# KiCad board DCDC_converter.kicad_pcb (continued)
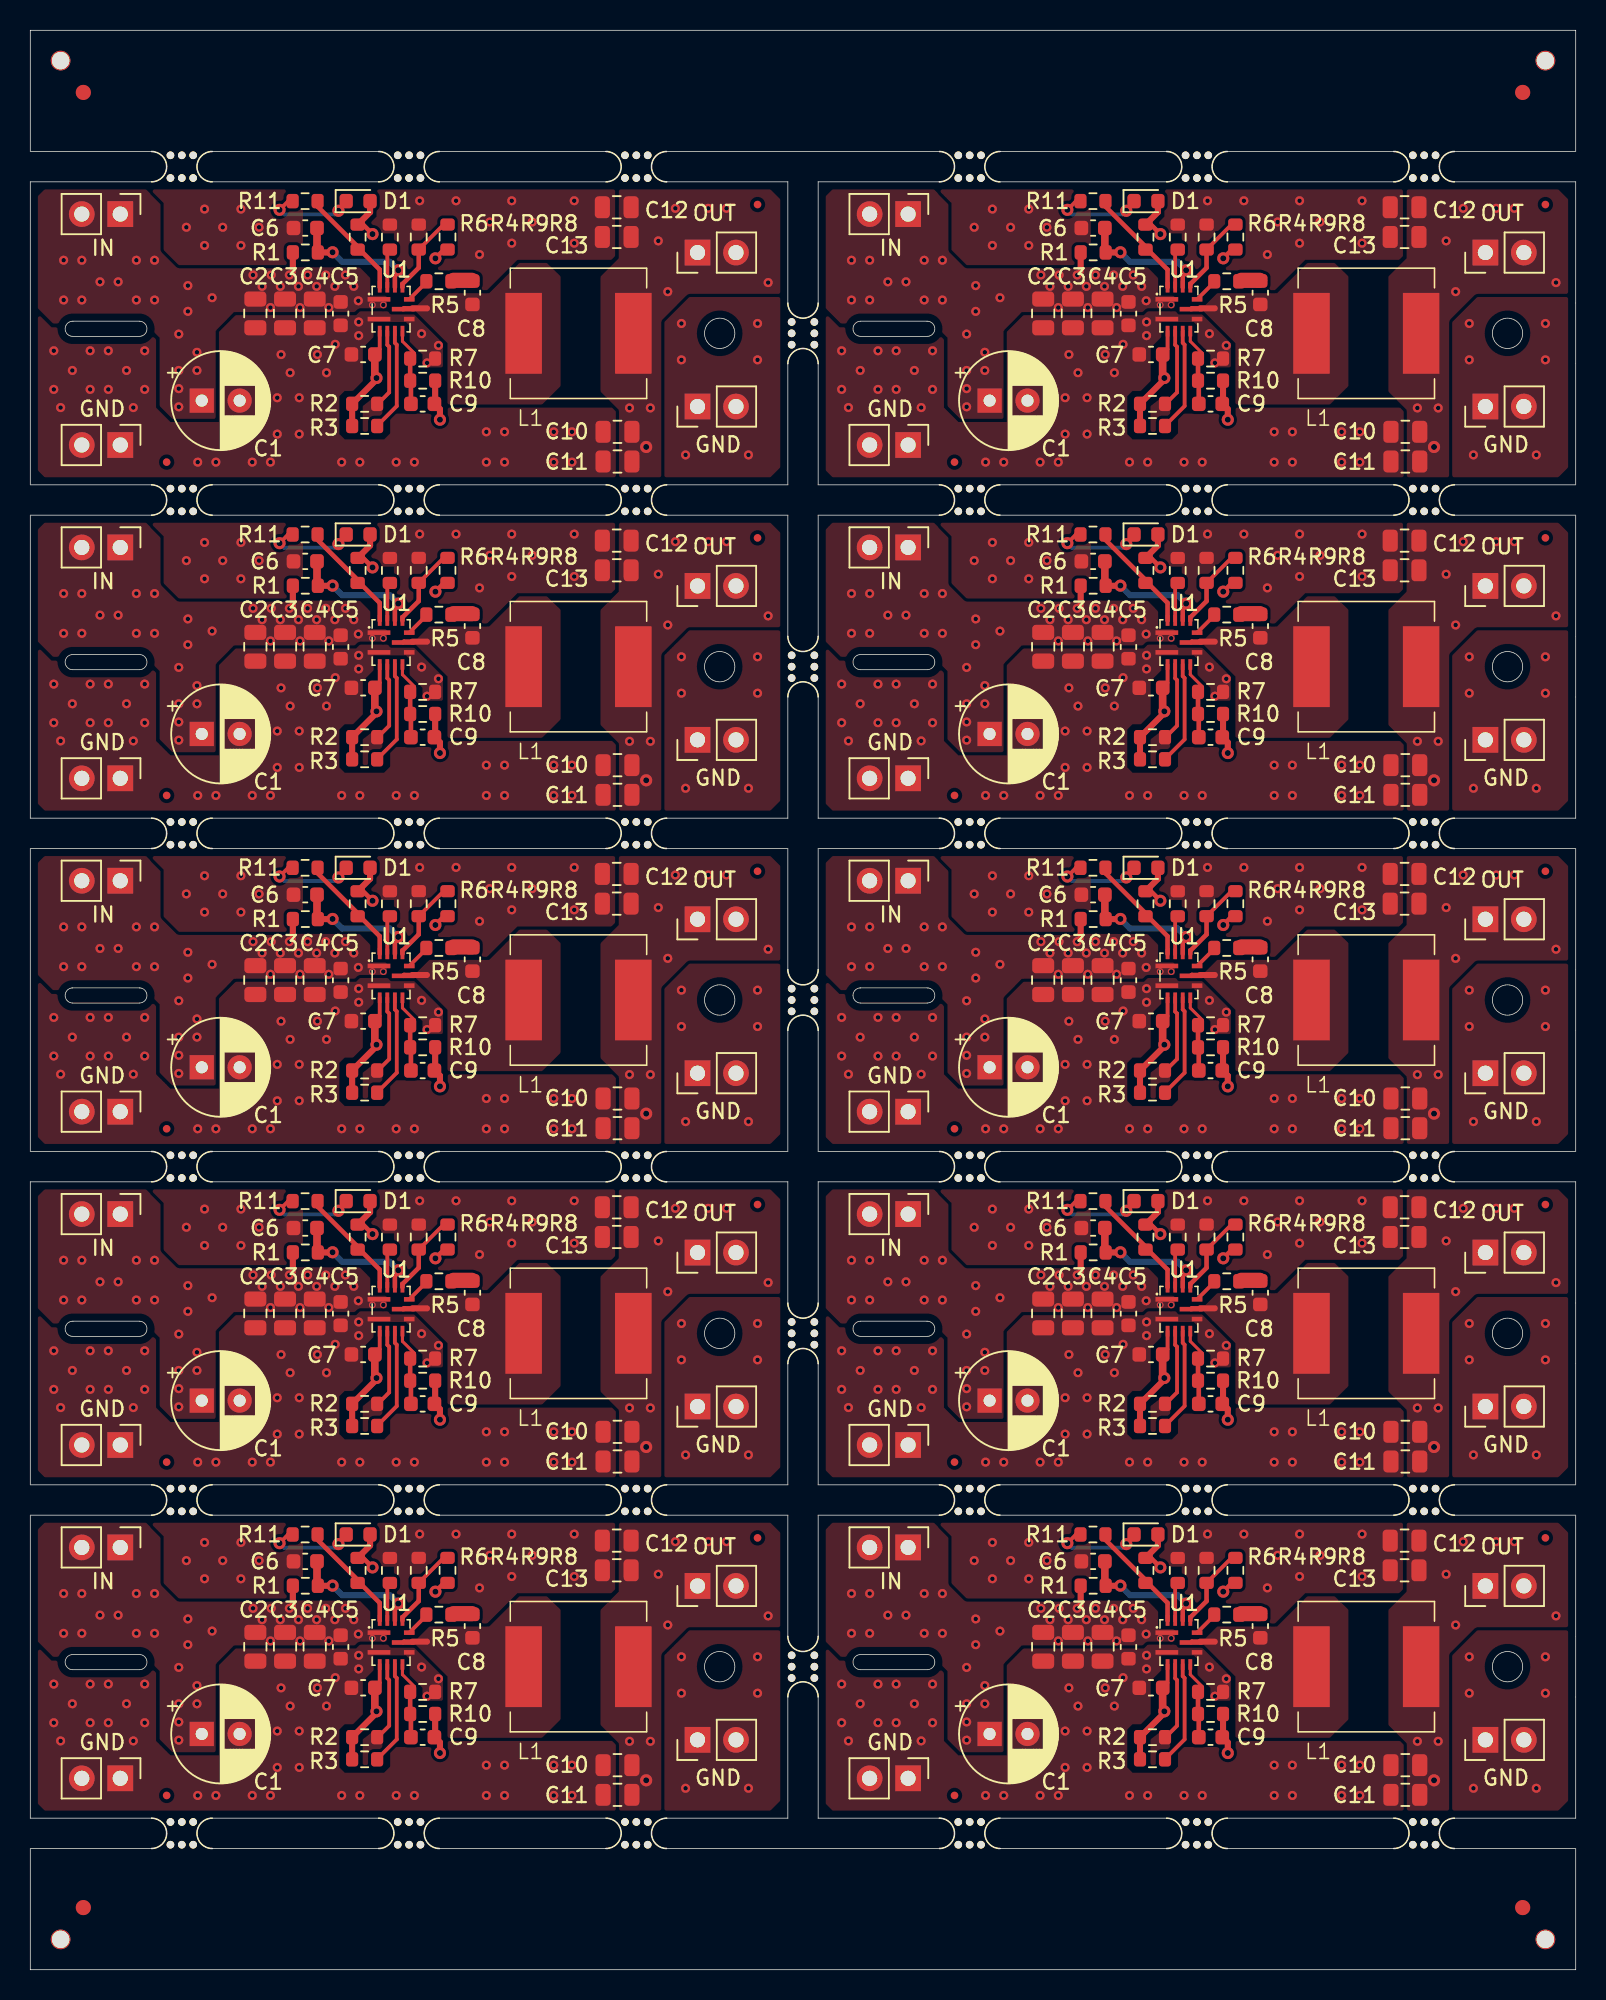
[diagram p0: board, top side]
## Placement (name value [footprint] x y rotation side) (continued)
REF**#2  -  [Fiducial_0.5mm_Mask1mm]  9 99.5 0 top
REF**#3  -  [Fiducial_0.5mm_Mask1mm]  9 11.5 0 top
REF**#4  -  [Fiducial_0.5mm_Mask1mm]  48 72.5 0 top
REF**#5  -  [Fiducial_0.5mm_Mask1mm]  100 50.5 0 top
REF**#6  -  [Fiducial_1mm_Mask2mm]  98.5 4.1 0 top
REF**#7  -  [Fiducial_1mm_Mask2mm]  3.5 123.9 0 top
REF**#8  -  [Fiducial_0.5mm_Mask1mm]  100 28.5 0 top
REF**#9  -  [Fiducial_0.5mm_Mask1mm]  9 77.5 0 top
REF**#10  -  [Fiducial_0.5mm_Mask1mm]  61 55.5 0 top
REF**#11  -  [Fiducial_0.5mm_Mask1mm]  61 77.5 0 top
REF**#12  -  [Fiducial_1mm_Mask2mm]  98.5 123.9 0 top
REF**#13  -  [Fiducial_0.5mm_Mask1mm]  61 33.5 0 top
REF**#14  -  [Fiducial_0.5mm_Mask1mm]  48 50.5 0 top
REF**#15  -  [Fiducial_1mm_Mask2mm]  3.5 4.1 0 top
REF**#16  -  [Fiducial_0.5mm_Mask1mm]  9 33.5 0 top
REF**#17  -  [Fiducial_0.5mm_Mask1mm]  61 99.5 0 top
REF**#18  -  [Fiducial_0.5mm_Mask1mm]  9 55.5 0 top
REF**#19  -  [Fiducial_0.5mm_Mask1mm]  100 72.5 0 top
REF**#20  -  [Fiducial_0.5mm_Mask1mm]  48 116.5 0 top
REF**#21  -  [Fiducial_0.5mm_Mask1mm]  100 116.5 0 top
REF**#22  -  [Fiducial_0.5mm_Mask1mm]  61 11.5 0 top
REF**#23  -  [Fiducial_0.5mm_Mask1mm]  100 94.5 0 top
REF**#24  -  [Fiducial_0.5mm_Mask1mm]  48 94.5 0 top
U1  MP2491C  [QFN-13_HK]  23.81 87.59 0 top
U1#2  MP2491C  [QFN-13_HK]  23.81 43.59 0 top
U1#3  MP2491C  [QFN-13_HK]  75.81 43.59 0 top
U1#4  MP2491C  [QFN-13_HK]  75.81 109.59 0 top
U1#5  MP2491C  [QFN-13_HK]  23.81 65.59 0 top
U1#6  MP2491C  [QFN-13_HK]  75.81 21.59 0 top
U1#7  MP2491C  [QFN-13_HK]  75.81 87.59 0 top
U1#8  MP2491C  [QFN-13_HK]  75.81 65.59 0 top
U1#9  MP2491C  [QFN-13_HK]  23.81 21.59 0 top
U1#10  MP2491C  [QFN-13_HK]  23.81 109.59 0 top

## Library data of the parts
C1 C1#2-C1#5 C1#7-C1#10 = -: Description: Polarized capacitor
C1#6 = -: Description: Polarized capacitor; ki_fp_filters: CP_*
C2 C2#2-C2#8 C2#10 C3 C3#2-C3#7 C3#9 C3#10 C4#2-C4#10 C5 C5#2-C5#6 C5#8-C5#10 C6 C6#3-C6#10 C7 C7#2-C7#8 C7#10 C8 C8#2-C8#6 C8#8-C8#10 C9 C9#2-C9#9 C10 C10#2-C10#8 C10#10 C11#2-C11#10 C12 C12#2-C12#8 C12#10 C13#2-C13#10 = -: Description: Unpolarized capacitor
C2#9 C3#8 C4 C5#7 C6#2 C7#9 C8#7 C9#10 C10#9 C11 C12#9 C13 = -: Description: Unpolarized capacitor; ki_fp_filters: C_*
D1 D1#2-D1#8 D1#10 = -: Description: Light emitting diode
D1#9 = -: Description: Light emitting diode; ki_fp_filters: LED* LED_SMD:* LED_THT:*
J1 J1#2-J1#7 J1#9 J1#10 J2 J2#2-J2#7 J2#9 J2#10 J3 J3#2 J3#4-J3#10 J4 J4#2 J4#3 J4#5-J4#10 = -: Description: Generic connector, single row, 01x02, script generated
J1#8 J2#8 J3#3 J4#4 = -: Description: Generic connector, single row, 01x02, script generated; ki_fp_filters: Connector*:*_1x??_*
L1 L1#2-L1#9 = -: Description: Inductor
L1#10 = -: Description: Inductor; ki_fp_filters: Choke_* *Coil* Inductor_* L_*
R1 R1#2 R1#4-R1#10 R2 R2#2 R2#4-R2#10 R3 R3#2-R3#5 R3#7-R3#10 R4 R4#2 R4#4-R4#10 R5 R5#2-R5#8 R5#10 R6 R6#2-R6#4 R6#6-R6#10 R7 R7#2-R7#5 R7#7-R7#10 R8 R8#2-R8#4 R8#6-R8#10 R9 R9#2-R9#8 R9#10 R10 R10#2-R10#4 R10#6-R10#10 R11 R11#3-R11#10 = -: Description: Resistor
R1#3 R2#3 R3#6 R4#3 R5#9 R6#5 R7#6 R8#5 R9#9 R10#5 R11#2 = -: Description: Resistor; ki_fp_filters: R_*
U1 U1#2-U1#10 = -: Datasheet: https://www.monolithicpower.com/en/documentview/productdocument/index/version/2/document_type/Datasheet/lang/en/sku/MP2491CGQB-Z/document_id/4656/; Description: Step-Down Converter

## Footprints (pads in the part's own frame, mm; a bottom-side part is the same pattern mirrored in y, then rotated)
C_0603_1608Metric
  rrect 0.9x0.95 smd: 1(-0.775,0) 2(0.775,0)
C_0805_2012Metric
  rrect 1x1.45 smd: 1(-0.95,0) 2(0.95,0)
CP_Radial_D6.3mm_P2.50mm
  rect 1.6x1.6 hole 0.8: 1(0,0)
  round 1.6 hole 0.8: 2(2.5,0)
Fiducial_0.5mm_Mask1mm
  round 0.5 smd: (0,0)
Fiducial_1mm_Mask2mm
  round 1 smd: (0,0)
Inductor_IHLP3232DZER4R7M11_HK
  rect 2.413x5.334 smd: 1(-3.619,0) 2(3.619,0)
LED_0603_1608Metric
  rrect 0.875x0.95 smd: 1(-0.787,0) 2(0.787,0)
mouse-bite-2mm-slot
  round 0.5 hole 0.5 unplated: (-0.75,0.75) (-0.75,-0.75) (0,0.75) (0,-0.75) (0.75,0.75) (0.75,-0.75)
PinHeader_1x02_P2.54mm_Vertical
  rect 1.7x1.7 hole 1: 1(0,0)
  oval 1.7x1.7 hole 1: 2(0,-2.54)
QFN-13_HK
  rect 1.5x0.3 smd: 1(-0.8,0.65) 2(-0.8,-0.65) 8(0.8,0)
  rect 0.25x0.7 smd: 3(-0.75,-1.45) 4(-0.25,-1.45) 5(0.25,-1.45) 6(0.75,-1.45) 10(0.75,1.45) 11(0.25,1.45) 12(-0.25,1.45) 13(-0.75,1.45)
  rect 0.7x0.3 smd: 7(1.2,-0.65) 9(1.2,0.65)
R_0603_1608Metric
  rrect 0.8x0.95 smd: 1(-0.825,0) 2(0.825,0)
unnamed
  round 1.3 hole 1.152 unplated: (0,0)

## Nets
+5V: C9.1 C9#2.1 C9#3.1 C9#4.1 C9#5.1 C9#6.1 C9#7.1 C9#8.1 C9#9.1 C9#10.1 C10.1 C10#2.1 C10#3.1 C10#4.1 C10#5.1 C10#6.1 C10#7.1 C10#8.1 C10#9.1 C10#10.1 C11.1 C11#2.1 C11#3.1 C11#4.1 C11#5.1 C11#6.1 C11#7.1 C11#8.1 C11#9.1 C11#10.1 C12.1 C12#2.1 C12#3.1 C12#4.1 C12#5.1 C12#6.1 C12#7.1 C12#8.1 C12#9.1 C12#10.1 C13.1 C13#2.1 C13#3.1 C13#4.1 C13#5.1 C13#6.1 C13#7.1 C13#8.1 C13#9.1 C13#10.1 J3.1 J3.2 J3#2.1 J3#2.2 J3#3.1 J3#3.2 J3#4.1 J3#4.2 J3#5.1 J3#5.2 J3#6.1 J3#6.2 J3#7.1 J3#7.2 J3#8.1 J3#8.2 J3#9.1 J3#9.2 J3#10.1 J3#10.2 L1.2 L1#2.2 L1#3.2 L1#4.2 L1#5.2 L1#6.2 L1#7.2 L1#8.2 L1#9.2 L1#10.2 R10.1 R10#2.1 R10#3.1 R10#4.1 R10#5.1 R10#6.1 R10#7.1 R10#8.1 R10#9.1 R10#10.1
+24V: C1.1 C1#2.1 C1#3.1 C1#4.1 C1#5.1 C1#6.1 C1#7.1 C1#8.1 C1#9.1 C1#10.1 C2.1 C2#2.1 C2#3.1 C2#4.1 C2#5.1 C2#6.1 C2#7.1 C2#8.1 C2#9.1 C2#10.1 C3.1 C3#2.1 C3#3.1 C3#4.1 C3#5.1 C3#6.1 C3#7.1 C3#8.1 C3#9.1 C3#10.1 C4.1 C4#2.1 C4#3.1 C4#4.1 C4#5.1 C4#6.1 C4#7.1 C4#8.1 C4#9.1 C4#10.1 C5.1 C5#2.1 C5#3.1 C5#4.1 C5#5.1 C5#6.1 C5#7.1 C5#8.1 C5#9.1 C5#10.1 J1.1 J1.2 J1#2.1 J1#2.2 J1#3.1 J1#3.2 J1#4.1 J1#4.2 J1#5.1 J1#5.2 J1#6.1 J1#6.2 J1#7.1 J1#7.2 J1#8.1 J1#8.2 J1#9.1 J1#9.2 J1#10.1 J1#10.2 R1.1 R1#2.1 R1#3.1 R1#4.1 R1#5.1 R1#6.1 R1#7.1 R1#8.1 R1#9.1 R1#10.1 U1.1 U1#2.1 U1#3.1 U1#4.1 U1#5.1 U1#6.1 U1#7.1 U1#8.1 U1#9.1 U1#10.1
GND: C1.2 C1#2.2 C1#3.2 C1#4.2 C1#5.2 C1#6.2 C1#7.2 C1#8.2 C1#9.2 C1#10.2 C2.2 C2#2.2 C2#3.2 C2#4.2 C2#5.2 C2#6.2 C2#7.2 C2#8.2 C2#9.2 C2#10.2 C3.2 C3#2.2 C3#3.2 C3#4.2 C3#5.2 C3#6.2 C3#7.2 C3#8.2 C3#9.2 C3#10.2 C4.2 C4#2.2 C4#3.2 C4#4.2 C4#5.2 C4#6.2 C4#7.2 C4#8.2 C4#9.2 C4#10.2 C5.2 C5#2.2 C5#3.2 C5#4.2 C5#5.2 C5#6.2 C5#7.2 C5#8.2 C5#9.2 C5#10.2 C6.2 C6#2.2 C6#3.2 C6#4.2 C6#5.2 C6#6.2 C6#7.2 C6#8.2 C6#9.2 C6#10.2 C7.2 C7#2.2 C7#3.2 C7#4.2 C7#5.2 C7#6.2 C7#7.2 C7#8.2 C7#9.2 C7#10.2 C10.2 C10#2.2 C10#3.2 C10#4.2 C10#5.2 C10#6.2 C10#7.2 C10#8.2 C10#9.2 C10#10.2 C11.2 C11#2.2 C11#3.2 C11#4.2 C11#5.2 C11#6.2 C11#7.2 C11#8.2 C11#9.2 C11#10.2 C12.2 C12#2.2 C12#3.2 C12#4.2 C12#5.2 C12#6.2 C12#7.2 C12#8.2 C12#9.2 C12#10.2 C13.2 C13#2.2 C13#3.2 C13#4.2 C13#5.2 C13#6.2 C13#7.2 C13#8.2 C13#9.2 C13#10.2 J2.1 J2.2 J2#2.1 J2#2.2 J2#3.1 J2#3.2 J2#4.1 J2#4.2 J2#5.1 J2#5.2 J2#6.1 J2#6.2 J2#7.1 J2#7.2 J2#8.1 J2#8.2 J2#9.1 J2#9.2 J2#10.1 J2#10.2 J4.1 J4.2 J4#2.1 J4#2.2 J4#3.1 J4#3.2 J4#4.1 J4#4.2 J4#5.1 J4#5.2 J4#6.1 J4#6.2 J4#7.1 J4#7.2 J4#8.1 J4#8.2 J4#9.1 J4#9.2 J4#10.1 J4#10.2 R4.2 R4#2.2 R4#3.2 R4#4.2 R4#5.2 R4#6.2 R4#7.2 R4#8.2 R4#9.2 R4#10.2 R7.2 R7#2.2 R7#3.2 R7#4.2 R7#5.2 R7#6.2 R7#7.2 R7#8.2 R7#9.2 R7#10.2 R9.2 R9#2.2 R9#3.2 R9#4.2 R9#5.2 R9#6.2 R9#7.2 R9#8.2 R9#9.2 R9#10.2 U1.2 U1.7 U1#2.2 U1#2.7 U1#3.2 U1#3.7 U1#4.2 U1#4.7 U1#5.2 U1#5.7 U1#6.2 U1#6.7 U1#7.2 U1#7.7 U1#8.2 U1#8.7 U1#9.2 U1#9.7 U1#10.2 U1#10.7
VCC: C7.1 C7#2.1 C7#3.1 C7#4.1 C7#5.1 C7#6.1 C7#7.1 C7#8.1 C7#9.1 C7#10.1 D1.2 D1#2.2 D1#3.2 D1#4.2 D1#5.2 D1#6.2 D1#7.2 D1#8.2 D1#9.2 D1#10.2 R2.1 R2#2.1 R2#3.1 R2#4.1 R2#5.1 R2#6.1 R2#7.1 R2#8.1 R2#9.1 R2#10.1 R3.1 R3#2.1 R3#3.1 R3#4.1 R3#5.1 R3#6.1 R3#7.1 R3#8.1 R3#9.1 R3#10.1 R6.2 R6#2.2 R6#3.2 R6#4.2 R6#5.2 R6#6.2 R6#7.2 R6#8.2 R6#9.2 R6#10.2 R8.2 R8#2.2 R8#3.2 R8#4.2 R8#5.2 R8#6.2 R8#7.2 R8#8.2 R8#9.2 R8#10.2 U1.3 U1#2.3 U1#3.3 U1#4.3 U1#5.3 U1#6.3 U1#7.3 U1#8.3 U1#9.3 U1#10.3
Net-(C8-Pad2): C8.2 C8#2.2 C8#3.2 C8#4.2 C8#5.2 C8#6.2 C8#7.2 C8#8.2 C8#9.2 C8#10.2 R5.2 R5#2.2 R5#3.2 R5#4.2 R5#5.2 R5#6.2 R5#7.2 R5#8.2 R5#9.2 R5#10.2
Net-(D1-K): D1.1 D1#2.1 D1#3.1 D1#4.1 D1#5.1 D1#6.1 D1#7.1 D1#8.1 D1#9.1 D1#10.1 R11.1 R11#2.1 R11#3.1 R11#4.1 R11#5.1 R11#6.1 R11#7.1 R11#8.1 R11#9.1 R11#10.1
Net-(U1-BST): R5.1 R5#2.1 R5#3.1 R5#4.1 R5#5.1 R5#6.1 R5#7.1 R5#8.1 R5#9.1 R5#10.1 U1.9 U1#2.9 U1#3.9 U1#4.9 U1#5.9 U1#6.9 U1#7.9 U1#8.9 U1#9.9 U1#10.9
Net-(U1-EN): C6.1 C6#2.1 C6#3.1 C6#4.1 C6#5.1 C6#6.1 C6#7.1 C6#8.1 C6#9.1 C6#10.1 R1.2 R1#2.2 R1#3.2 R1#4.2 R1#5.2 R1#6.2 R1#7.2 R1#8.2 R1#9.2 R1#10.2 U1.11 U1#2.11 U1#3.11 U1#4.11 U1#5.11 U1#6.11 U1#7.11 U1#8.11 U1#9.11 U1#10.11
Net-(U1-FB): C9.2 C9#2.2 C9#3.2 C9#4.2 C9#5.2 C9#6.2 C9#7.2 C9#8.2 C9#9.2 C9#10.2 R7.1 R7#2.1 R7#3.1 R7#4.1 R7#5.1 R7#6.1 R7#7.1 R7#8.1 R7#9.1 R7#10.1 R10.2 R10#2.2 R10#3.2 R10#4.2 R10#5.2 R10#6.2 R10#7.2 R10#8.2 R10#9.2 R10#10.2 U1.6 U1#2.6 U1#3.6 U1#4.6 U1#5.6 U1#6.6 U1#7.6 U1#8.6 U1#9.6 U1#10.6
Net-(U1-ILIM): R4.1 R4#2.1 R4#3.1 R4#4.1 R4#5.1 R4#6.1 R4#7.1 R4#8.1 R4#9.1 R4#10.1 U1.12 U1#2.12 U1#3.12 U1#4.12 U1#5.12 U1#6.12 U1#7.12 U1#8.12 U1#9.12 U1#10.12
Net-(U1-MODE): R8.1 R8#2.1 R8#3.1 R8#4.1 R8#5.1 R8#6.1 R8#7.1 R8#8.1 R8#9.1 R8#10.1 R9.1 R9#2.1 R9#3.1 R9#4.1 R9#5.1 R9#6.1 R9#7.1 R9#8.1 R9#9.1 R9#10.1 U1.10 U1#2.10 U1#3.10 U1#4.10 U1#5.10 U1#6.10 U1#7.10 U1#8.10 U1#9.10 U1#10.10
Net-(U1-PG): R6.1 R6#2.1 R6#3.1 R6#4.1 R6#5.1 R6#6.1 R6#7.1 R6#8.1 R6#9.1 R6#10.1 R11.2 R11#2.2 R11#3.2 R11#4.2 R11#5.2 R11#6.2 R11#7.2 R11#8.2 R11#9.2 R11#10.2 U1.13 U1#2.13 U1#3.13 U1#4.13 U1#5.13 U1#6.13 U1#7.13 U1#8.13 U1#9.13 U1#10.13
Net-(U1-SW): C8.1 C8#2.1 C8#3.1 C8#4.1 C8#5.1 C8#6.1 C8#7.1 C8#8.1 C8#9.1 C8#10.1 L1.1 L1#2.1 L1#3.1 L1#4.1 L1#5.1 L1#6.1 L1#7.1 L1#8.1 L1#9.1 L1#10.1 U1.8 U1#2.8 U1#3.8 U1#4.8 U1#5.8 U1#6.8 U1#7.8 U1#8.8 U1#9.8 U1#10.8
Net-(U1-VSEL1): R2.2 R2#2.2 R2#3.2 R2#4.2 R2#5.2 R2#6.2 R2#7.2 R2#8.2 R2#9.2 R2#10.2 U1.4 U1#2.4 U1#3.4 U1#4.4 U1#5.4 U1#6.4 U1#7.4 U1#8.4 U1#9.4 U1#10.4
Net-(U1-VSEL2): R3.2 R3#2.2 R3#3.2 R3#4.2 R3#5.2 R3#6.2 R3#7.2 R3#8.2 R3#9.2 R3#10.2 U1.5 U1#2.5 U1#3.5 U1#4.5 U1#5.5 U1#6.5 U1#7.5 U1#8.5 U1#9.5 U1#10.5

## Via types
v1: diameter 0.6, hole 0.3, Top to Bottom, 1070 vias
v2: diameter 0.45, hole 0.3, Top to Bottom, 20 vias
v3: diameter 0.8, hole 0.4, Top to Bottom, 90 vias

## Routing (per net, layer and track width the routed paths; a pad name or vN(x,y) marks a point on that pad's centre or on a via; arc(x,y) is an arc through that point)
+5V: length 170.9
  Top w0.4: v3(79.04,58.3) 79.04,59 78.69,59.35 78.72,59.39 R10#6.1 ; R10#4.1 78.72,81.39 78.69,81.35 79.04,81 v3(79.04,80.3) ; R10#7.1 78.72,103.39 78.69,103.35 79.04,103 v3(79.04,102.3) ; R10#8.1 78.72,15.38 78.69,15.35 79.04,15 v3(79.04,14.3) ; R10#9.1 26.72,37.38 26.69,37.35 27.04,37 v3(27.04,36.3) ; v3(27.04,102.3) 27.04,103 26.69,103.35 26.72,103.39 R10#5.1 ; R10#3.1 78.72,37.38 78.69,37.35 79.04,37 v3(79.04,36.3) ; R10.1 26.72,59.39 26.69,59.35 27.04,59 v3(27.04,58.3) ; v3(27.04,80.3) 27.04,81 26.69,81.35 26.72,81.39 R10#2.1 ; v3(27.04,14.3) 27.04,15 26.69,15.35 26.72,15.38 R10#10.1
  In2.Cu w0.4: v3(27.04,58.3) 38.85,58.3 v3(40.65,56.5) ; v3(40.65,12.5) 38.85,14.3 v3(27.04,14.3) ; v3(92.65,78.5) 90.85,80.3 v3(79.04,80.3) ; v3(79.04,102.3) 90.85,102.3 v3(92.65,100.5) ; v3(92.65,56.5) 90.85,58.3 v3(79.04,58.3) ; v3(27.04,80.3) 38.85,80.3 v3(40.65,78.5) ; v3(40.65,34.5) 38.85,36.3 v3(27.04,36.3) ; v3(92.65,34.5) 90.85,36.3 v3(79.04,36.3) ; v3(40.65,100.5) 38.85,102.3 v3(27.04,102.3) ; v3(79.04,14.3) 90.85,14.3 v3(92.65,12.5)
  vias: v1(39.55,103.08) v1(39.55,81.08) v1(39.55,59.08) v1(39.55,37.07) v1(39.55,15.07) v1(40.92,103.08) v1(40.92,81.08) v1(40.92,59.08) v1(40.92,37.07) v1(40.92,15.07) v1(41.45,114.1) v1(41.45,92.1) v1(41.45,70.1) v1(41.45,48.1) v1(41.45,26.1) v1(42.08,110.75) v1(42.08,88.75) v1(42.08,66.75) v1(42.08,44.75) v1(42.08,22.75) v1(42.58,116.25) v1(42.58,94.25) v1(42.58,72.25) v1(42.58,50.25) v1(42.58,28.25) v1(44.75,116.25) v1(44.75,94.25) v1(44.75,72.25) v1(44.75,50.25) v1(44.75,28.25) v1(45.95,116.25) v1(45.95,94.25) v1(45.95,72.25) v1(45.95,50.25) v1(45.95,28.25) v1(48.7,111.35) v1(48.7,89.35) v1(48.7,67.35) v1(48.7,45.35) v1(48.7,23.35) v1(91.55,103.08) v1(91.55,81.08) v1(91.55,59.08) v1(91.55,37.07) v1(91.55,15.07) v1(92.93,103.08) v1(92.93,81.08) v1(92.93,59.08) v1(92.93,37.07) v1(92.93,15.07) v1(93.45,114.1) v1(93.45,92.1) v1(93.45,70.1) v1(93.45,48.1) v1(93.45,26.1) v1(94.07,110.75) v1(94.07,88.75) v1(94.07,66.75) v1(94.07,44.75) v1(94.07,22.75) v1(94.57,116.25) v1(94.57,94.25) v1(94.57,72.25) v1(94.57,50.25) v1(94.57,28.25) v1(96.75,116.25) v1(96.75,94.25) v1(96.75,72.25) v1(96.75,50.25) v1(96.75,28.25) v1(97.95,116.25) v1(97.95,94.25) v1(97.95,72.25) v1(97.95,50.25) v1(97.95,28.25) v1(100.7,111.35) v1(100.7,89.35) v1(100.7,67.35) v1(100.7,45.35) v1(100.7,23.35)
+24V: length 13
  Top w0.4: R1.1 17.33,24.04 ; R1#2.1 69.33,46.04 ; R1#3.1 17.33,112.04 ; R1#9.1 17.33,46.04 ; R1#5.1 69.33,112.04 ; R1#6.1 69.33,90.04 ; R1#8.1 69.33,68.04 ; R1#10.1 69.33,24.04 ; R1#7.1 17.33,68.04 ; R1#4.1 17.33,90.04
  vias: v1(2.2,112.83) v1(2.2,110.2) v1(2.2,90.83) v1(2.2,88.2) v1(2.2,68.83) v1(2.2,66.2) v1(2.2,46.83) v1(2.2,44.2) v1(2.2,24.82) v1(2.2,22.2) v1(3.4,112.83) v1(3.4,110.2) v1(3.4,90.83) v1(3.4,88.2) v1(3.4,68.83) v1(3.4,66.2) v1(3.4,46.83) v1(3.4,44.2) v1(3.4,24.82) v1(3.4,22.2) v1(4.6,111.4) v1(4.6,89.4) v1(4.6,67.4) v1(4.6,45.4) v1(4.6,23.4) v1(5.8,111.4) v1(5.8,89.4) v1(5.8,67.4) v1(5.8,45.4) v1(5.8,23.4) v1(7,112.83) v1(7,110.2) v1(7,90.83) v1(7,88.2) v1(7,68.83) v1(7,66.2) v1(7,46.83) v1(7,44.2) v1(7,24.82) v1(7,22.2) v1(8.2,112.83) v1(8.2,110.2) v1(8.2,90.83) v1(8.2,88.2) v1(8.2,68.83) v1(8.2,66.2) v1(8.2,46.83) v1(8.2,44.2) v1(8.2,24.82) v1(8.2,22.2) v1(9.8,107.95) v1(9.8,105.55) v1(9.8,104.35) v1(9.8,103.15) v1(9.8,85.95) v1(9.8,83.55) v1(9.8,82.35) v1(9.8,81.15) v1(9.8,63.95) v1(9.8,61.55) v1(9.8,60.35) v1(9.8,59.15) v1(9.8,41.95) v1(9.8,39.55) v1(9.8,38.35) v1(9.8,37.15) v1(9.8,19.95) v1(9.8,17.55) v1(9.8,16.35) v1(9.8,15.15) v1(10.4,111.15) v1(10.4,109.45) v1(10.4,89.15) v1(10.4,87.45) v1(10.4,67.15) v1(10.4,65.45) v1(10.4,45.15) v1(10.4,43.45) v1(10.4,23.15) v1(10.4,21.45) v1(11,106.75) v1(11,105.55) v1(11,84.75) v1(11,83.55) v1(11,62.75) v1(11,61.55) v1(11,40.75) v1(11,39.55) v1(11,18.75) v1(11,17.55) v1(12,110.35) v1(12,88.35) v1(12,66.35) v1(12,44.35) v1(12,22.35) v1(14.7,111.85) v1(14.7,89.85) v1(14.7,67.85) v1(14.7,45.85) v1(14.7,23.85) v1(15.3,111.1) v1(15.3,89.1) v1(15.3,67.1) v1(15.3,45.1) v1(15.3,23.1) v1(15.85,109.7) v1(15.85,87.7) v1(15.85,65.7) v1(15.85,43.7) v1(15.85,21.7) v1(15.9,111.85) v1(15.9,89.85) v1(15.9,67.85) v1(15.9,45.85) v1(15.9,23.85) v1(16.5,111.1) v1(16.5,89.1) v1(16.5,67.1) v1(16.5,45.1) v1(16.5,23.1) v1(17.1,111.85) v1(17.1,89.85) v1(17.1,67.85) v1(17.1,45.85) v1(17.1,23.85) v1(17.7,111.1) v1(17.7,89.1) v1(17.7,67.1) v1(17.7,45.1) v1(17.7,23.1) v1(17.8,109.7) v1(17.8,87.7) v1(17.8,65.7) v1(17.8,43.7) v1(17.8,21.7) v1(18.3,111.85) v1(18.3,89.85) v1(18.3,67.85) v1(18.3,45.85) v1(18.3,23.85) v1(18.9,111.1) v1(18.9,89.1) v1(18.9,67.1) v1(18.9,45.1) v1(18.9,23.1) v1(19.5,111.85) v1(19.5,89.85) v1(19.5,67.85) v1(19.5,45.85) v1(19.5,23.85) v1(19.7,109.7) v1(19.7,87.7) v1(19.7,65.7) v1(19.7,43.7) v1(19.7,21.7) v1(20.1,111.1) v1(20.1,89.1) v1(20.1,67.1) v1(20.1,45.1) v1(20.1,23.1) v1(20.8,111.85) v1(20.8,89.85) v1(20.8,67.85) v1(20.8,45.85) v1(20.8,23.85) v1(21.35,111.1) v1(21.35,89.1) v1(21.35,67.1) v1(21.35,45.1) v1(21.35,23.1) v1(21.65,110.15) v1(21.65,88.15) v1(21.65,66.15) v1(21.65,44.15) v1(21.65,22.15) v1(54.2,112.83) v1(54.2,110.2) v1(54.2,90.83) v1(54.2,88.2) v1(54.2,68.83) v1(54.2,66.2) v1(54.2,46.83) v1(54.2,44.2) v1(54.2,24.82) v1(54.2,22.2) v1(55.4,112.83) v1(55.4,110.2) v1(55.4,90.83) v1(55.4,88.2) v1(55.4,68.83) v1(55.4,66.2) v1(55.4,46.83) v1(55.4,44.2) v1(55.4,24.82) v1(55.4,22.2) v1(56.6,111.4) v1(56.6,89.4) v1(56.6,67.4) v1(56.6,45.4) v1(56.6,23.4) v1(57.8,111.4) v1(57.8,89.4) v1(57.8,67.4) v1(57.8,45.4) v1(57.8,23.4) v1(59,112.83) v1(59,110.2) v1(59,90.83) v1(59,88.2) v1(59,68.83) v1(59,66.2) v1(59,46.83) v1(59,44.2) v1(59,24.82) v1(59,22.2) v1(60.2,112.83) v1(60.2,110.2) v1(60.2,90.83) v1(60.2,88.2) v1(60.2,68.83) v1(60.2,66.2) v1(60.2,46.83) v1(60.2,44.2) v1(60.2,24.82) v1(60.2,22.2) v1(61.8,107.95) v1(61.8,105.55) v1(61.8,104.35) v1(61.8,103.15) v1(61.8,85.95) v1(61.8,83.55) v1(61.8,82.35) v1(61.8,81.15) v1(61.8,63.95) v1(61.8,61.55) v1(61.8,60.35) v1(61.8,59.15) v1(61.8,41.95) v1(61.8,39.55) v1(61.8,38.35) v1(61.8,37.15) v1(61.8,19.95) v1(61.8,17.55) v1(61.8,16.35) v1(61.8,15.15) v1(62.4,111.15) v1(62.4,109.45) v1(62.4,89.15) v1(62.4,87.45) v1(62.4,67.15) v1(62.4,65.45) v1(62.4,45.15) v1(62.4,43.45) v1(62.4,23.15) v1(62.4,21.45) v1(63,106.75) v1(63,105.55) v1(63,84.75) v1(63,83.55) v1(63,62.75) v1(63,61.55) v1(63,40.75) v1(63,39.55) v1(63,18.75) v1(63,17.55) v1(64,110.35) v1(64,88.35) v1(64,66.35) v1(64,44.35) v1(64,22.35) v1(66.7,111.85) v1(66.7,89.85) v1(66.7,67.85) v1(66.7,45.85) v1(66.7,23.85) v1(67.3,111.1) v1(67.3,89.1) v1(67.3,67.1) v1(67.3,45.1) v1(67.3,23.1) v1(67.85,109.7) v1(67.85,87.7) v1(67.85,65.7) v1(67.85,43.7) v1(67.85,21.7) v1(67.9,111.85) v1(67.9,89.85) v1(67.9,67.85) v1(67.9,45.85) v1(67.9,23.85) v1(68.5,111.1) v1(68.5,89.1) v1(68.5,67.1) v1(68.5,45.1) v1(68.5,23.1) v1(69.1,111.85) v1(69.1,89.85) v1(69.1,67.85) v1(69.1,45.85) v1(69.1,23.85) v1(69.7,111.1) v1(69.7,89.1) v1(69.7,67.1) v1(69.7,45.1) v1(69.7,23.1) v1(69.8,109.7) v1(69.8,87.7) v1(69.8,65.7) v1(69.8,43.7) v1(69.8,21.7) v1(70.3,111.85) v1(70.3,89.85) v1(70.3,67.85) v1(70.3,45.85) v1(70.3,23.85) v1(70.9,111.1) v1(70.9,89.1) v1(70.9,67.1) v1(70.9,45.1) v1(70.9,23.1) v1(71.5,111.85) v1(71.5,89.85) v1(71.5,67.85) v1(71.5,45.85) v1(71.5,23.85) v1(71.7,109.7) v1(71.7,87.7) v1(71.7,65.7) v1(71.7,43.7) v1(71.7,21.7) v1(72.1,111.1) v1(72.1,89.1) v1(72.1,67.1) v1(72.1,45.1) v1(72.1,23.1) v1(72.8,111.85) v1(72.8,89.85) v1(72.8,67.85) v1(72.8,45.85) v1(72.8,23.85) v1(73.35,111.1) v1(73.35,89.1) v1(73.35,67.1) v1(73.35,45.1) v1(73.35,23.1) v1(73.65,110.15) v1(73.65,88.15) v1(73.65,66.15) v1(73.65,44.15) v1(73.65,22.15) v2(22.58,109.88) v2(22.58,87.88) v2(22.58,65.88) v2(22.58,43.88) v2(22.58,21.88) v2(23.3,109.88) v2(23.3,87.88) v2(23.3,65.88) v2(23.3,43.88) v2(23.3,21.88) v2(74.58,109.88) v2(74.58,87.88) v2(74.58,65.88) v2(74.58,43.88) v2(74.58,21.88) v2(75.3,109.88) v2(75.3,87.88) v2(75.3,65.88) v2(75.3,43.88) v2(75.3,21.88)
GND:
  vias: v1(1.55,106.85) v1(1.55,104.3) v1(1.55,84.85) v1(1.55,82.3) v1(1.55,62.85) v1(1.55,60.3) v1(1.55,40.85) v1(1.55,38.3) v1(1.55,18.85) v1(1.55,16.3) v1(2,103.1) v1(2,81.1) v1(2,59.1) v1(2,37.1) v1(2,15.1) v1(2.77,105.55) v1(2.77,83.55) v1(2.77,61.55) v1(2.77,39.55) v1(2.77,17.55) v1(3.95,106.85) v1(3.95,104.3) v1(3.95,84.85) v1(3.95,82.3) v1(3.95,62.85) v1(3.95,60.3) v1(3.95,40.85) v1(3.95,38.3) v1(3.95,18.85) v1(3.95,16.3) v1(5.15,106.85) v1(5.15,104.3) v1(5.15,84.85) v1(5.15,82.3) v1(5.15,62.85) v1(5.15,60.3) v1(5.15,40.85) v1(5.15,38.3) v1(5.15,18.85) v1(5.15,16.3) v1(6.35,105.55) v1(6.35,83.55) v1(6.35,61.55) v1(6.35,39.55) v1(6.35,17.55) v1(6.8,103.1) v1(6.8,81.1) v1(6.8,59.1) v1(6.8,37.1) v1(6.8,15.1) v1(7.55,106.85) v1(7.55,104.3) v1(7.55,84.85) v1(7.55,82.3) v1(7.55,62.85) v1(7.55,60.3) v1(7.55,40.85) v1(7.55,38.3) v1(7.55,18.85) v1(7.55,16.3) v1(10.3,115) v1(10.3,93) v1(10.3,71) v1(10.3,49) v1(10.3,27) v1(11.05,99.5) v1(11.05,77.5) v1(11.05,55.5) v1(11.05,33.5) v1(11.05,11.5) v1(11.5,116.2) v1(11.5,113.8) v1(11.5,94.2) v1(11.5,91.8) v1(11.5,72.2) v1(11.5,69.8) v1(11.5,50.2) v1(11.5,47.8) v1(11.5,28.2) v1(11.5,25.8) v1(12.25,99.5) v1(12.25,77.5) v1(12.25,55.5) v1(12.25,33.5) v1(12.25,11.5) v1(12.7,115) v1(12.7,93) v1(12.7,71) v1(12.7,49) v1(12.7,27) v1(13.9,116.2) v1(13.9,113.8) v1(13.9,94.2) v1(13.9,91.8) v1(13.9,72.2) v1(13.9,69.8) v1(13.9,50.2) v1(13.9,47.8) v1(13.9,28.2) v1(13.9,25.8) v1(14.65,99.5) v1(14.65,77.5) v1(14.65,55.5) v1(14.65,33.5) v1(14.65,11.5) v1(15.1,115) v1(15.1,93) v1(15.1,71) v1(15.1,49) v1(15.1,27) v1(15.85,99.5) v1(15.85,77.5) v1(15.85,55.5) v1(15.85,33.5) v1(15.85,11.5) v1(16.3,103.75) v1(16.3,101.35) v1(16.3,81.75) v1(16.3,79.35) v1(16.3,59.75) v1(16.3,57.35) v1(16.3,37.75) v1(16.3,35.35) v1(16.3,15.75) v1(16.3,13.35) v1(16.55,106.6) v1(16.55,84.6) v1(16.55,62.6) v1(16.55,40.6) v1(16.55,18.6) v1(17.15,105.4) v1(17.15,83.4) v1(17.15,61.4) v1(17.15,39.4) v1(17.15,17.4) v1(17.75,103.75) v1(17.75,101.35) v1(17.75,81.75) v1(17.75,79.35) v1(17.75,59.75) v1(17.75,57.35) v1(17.75,37.75) v1(17.75,35.35) v1(17.75,15.75) v1(17.75,13.35) v1(18.95,106.6) v1(18.95,84.6) v1(18.95,62.6) v1(18.95,40.6) v1(18.95,18.6) v1(19.55,105.4) v1(19.55,83.4) v1(19.55,61.4) v1(19.55,39.4) v1(19.55,17.4) v1(20.12,107.28) v1(20.12,85.28) v1(20.12,63.28) v1(20.12,41.28) v1(20.12,19.28) v1(20.55,99.5) v1(20.55,77.5) v1(20.55,55.5) v1(20.55,33.5) v1(20.55,11.5) v1(21.67,108.75) v1(21.67,107.85) v1(21.67,86.75) v1(21.67,85.85) v1(21.67,64.75) v1(21.67,63.85) v1(21.67,42.75) v1(21.67,41.85) v1(21.67,20.75) v1(21.67,19.85) v1(21.75,99.5) v1(21.75,77.5) v1(21.75,55.5) v1(21.75,33.5) v1(21.75,11.5) v1(24.15,99.5) v1(24.15,77.5) v1(24.15,55.5) v1(24.15,33.5) v1(24.15,11.5) v1(25.35,99.5) v1(25.35,77.5) v1(25.35,55.5) v1(25.35,33.5) v1(25.35,11.5) v1(25.7,116.75) v1(25.7,94.75) v1(25.7,72.75) v1(25.7,50.75) v1(25.7,28.75) v1(25.83,107.97) v1(25.83,85.97) v1(25.83,63.97) v1(25.83,41.97) v1(25.83,19.97) v1(26.19,106.05) v1(26.19,84.05) v1(26.19,62.05) v1(26.19,40.05) v1(26.19,18.05) v1(26.94,107.2) v1(26.94,85.2) v1(26.94,63.2) v1(26.94,41.2) v1(26.94,19.2) v1(28.1,116.75) v1(28.1,94.75) v1(28.1,72.75) v1(28.1,50.75) v1(28.1,28.75) v1(29.65,113.2) v1(29.65,91.2) v1(29.65,69.2) v1(29.65,47.2) v1(29.65,25.2) v1(30.1,101.5) v1(30.1,99.5) v1(30.1,79.5) v1(30.1,77.5) v1(30.1,57.5) v1(30.1,55.5) v1(30.1,35.5) v1(30.1,33.5) v1(30.1,13.5) v1(30.1,11.5) v1(30.33,115.35) v1(30.33,93.35) v1(30.33,71.35) v1(30.33,49.35) v1(30.33,27.35) v1(31.3,101.5) v1(31.3,99.5) v1(31.3,79.5) v1(31.3,77.5) v1(31.3,57.5) v1(31.3,55.5) v1(31.3,35.5) v1(31.3,33.5) v1(31.3,13.5) v1(31.3,11.5) v1(31.78,116.75) v1(31.78,113.95) v1(31.78,94.75) v1(31.78,91.95) v1(31.78,72.75) v1(31.78,69.95) v1(31.78,50.75) v1(31.78,47.95) v1(31.78,28.75) v1(31.78,25.95) v1(33.12,115.35) v1(33.12,93.35) v1(33.12,71.35) v1(33.12,49.35) v1(33.12,27.35) v1(34.55,101.5) v1(34.55,99.5) v1(34.55,79.5) v1(34.55,77.5) v1(34.55,57.5) v1(34.55,55.5) v1(34.55,35.5) v1(34.55,33.5) v1(34.55,13.5) v1(34.55,11.5) v1(35.75,101.5) v1(35.75,99.5) v1(35.75,79.5) v1(35.75,77.5) v1(35.75,57.5) v1(35.75,55.5) v1(35.75,35.5) v1(35.75,33.5) v1(35.75,13.5) v1(35.75,11.5) v1(35.9,116.75) v1(35.9,113.95) v1(35.9,94.75) v1(35.9,91.95) v1(35.9,72.75) v1(35.9,69.95) v1(35.9,50.75) v1(35.9,47.95) v1(35.9,28.75) v1(35.9,25.95) v1(42.97,108.65) v1(42.97,106.25) v1(42.97,86.65) v1(42.97,84.25) v1(42.97,64.65) v1(42.97,62.25) v1(42.97,42.65) v1(42.97,40.25) v1(42.97,20.65) v1(42.97,18.25) v1(43.25,99.97) v1(43.25,77.97) v1(43.25,55.97) v1(43.25,33.97) v1(43.25,11.97) v1(47.4,99.97) v1(47.4,77.97) v1(47.4,55.97) v1(47.4,33.97) v1(47.4,11.97) v1(48,108.65) v1(48,106.25) v1(48,86.65) v1(48,84.25) v1(48,64.65) v1(48,62.25) v1(48,42.65) v1(48,40.25) v1(48,20.65) v1(48,18.25) v1(53.55,106.85) v1(53.55,104.3) v1(53.55,84.85) v1(53.55,82.3) v1(53.55,62.85) v1(53.55,60.3) v1(53.55,40.85) v1(53.55,38.3) v1(53.55,18.85) v1(53.55,16.3) v1(54,103.1) v1(54,81.1) v1(54,59.1) v1(54,37.1) v1(54,15.1) v1(54.78,105.55) v1(54.78,83.55) v1(54.78,61.55) v1(54.78,39.55) v1(54.78,17.55) v1(55.95,106.85) v1(55.95,104.3) v1(55.95,84.85) v1(55.95,82.3) v1(55.95,62.85) v1(55.95,60.3) v1(55.95,40.85) v1(55.95,38.3) v1(55.95,18.85) v1(55.95,16.3) v1(57.15,106.85) v1(57.15,104.3) v1(57.15,84.85) v1(57.15,82.3) v1(57.15,62.85) v1(57.15,60.3) v1(57.15,40.85) v1(57.15,38.3) v1(57.15,18.85) v1(57.15,16.3) v1(58.35,105.55) v1(58.35,83.55) v1(58.35,61.55) v1(58.35,39.55) v1(58.35,17.55) v1(58.8,103.1) v1(58.8,81.1) v1(58.8,59.1) v1(58.8,37.1) v1(58.8,15.1) v1(59.55,106.85) v1(59.55,104.3) v1(59.55,84.85) v1(59.55,82.3) v1(59.55,62.85) v1(59.55,60.3) v1(59.55,40.85) v1(59.55,38.3) v1(59.55,18.85) v1(59.55,16.3) v1(62.3,115) v1(62.3,93) v1(62.3,71) v1(62.3,49) v1(62.3,27) v1(63.05,99.5) v1(63.05,77.5) v1(63.05,55.5) v1(63.05,33.5) v1(63.05,11.5) v1(63.5,116.2) v1(63.5,113.8) v1(63.5,94.2) v1(63.5,91.8) v1(63.5,72.2) v1(63.5,69.8) v1(63.5,50.2) v1(63.5,47.8) v1(63.5,28.2) v1(63.5,25.8) v1(64.25,99.5) v1(64.25,77.5) v1(64.25,55.5) v1(64.25,33.5) v1(64.25,11.5) v1(64.7,115) v1(64.7,93) v1(64.7,71) v1(64.7,49) v1(64.7,27) v1(65.9,116.2) v1(65.9,113.8) v1(65.9,94.2) v1(65.9,91.8) v1(65.9,72.2) v1(65.9,69.8) v1(65.9,50.2) v1(65.9,47.8) v1(65.9,28.2) v1(65.9,25.8) v1(66.65,99.5) v1(66.65,77.5) v1(66.65,55.5) v1(66.65,33.5) v1(66.65,11.5) v1(67.1,115) v1(67.1,93) v1(67.1,71) v1(67.1,49) v1(67.1,27) v1(67.85,99.5) v1(67.85,77.5) v1(67.85,55.5) v1(67.85,33.5) v1(67.85,11.5) v1(68.3,103.75) v1(68.3,101.35) v1(68.3,81.75) v1(68.3,79.35) v1(68.3,59.75) v1(68.3,57.35) v1(68.3,37.75) v1(68.3,35.35) v1(68.3,15.75) v1(68.3,13.35) v1(68.55,106.6) v1(68.55,84.6) v1(68.55,62.6) v1(68.55,40.6) v1(68.55,18.6) v1(69.15,105.4) v1(69.15,83.4) v1(69.15,61.4) v1(69.15,39.4) v1(69.15,17.4) v1(69.75,103.75) v1(69.75,101.35) v1(69.75,81.75) v1(69.75,79.35) v1(69.75,59.75) v1(69.75,57.35) v1(69.75,37.75) v1(69.75,35.35) v1(69.75,15.75) v1(69.75,13.35) v1(70.95,106.6) v1(70.95,84.6) v1(70.95,62.6) v1(70.95,40.6) v1(70.95,18.6) v1(71.55,105.4) v1(71.55,83.4) v1(71.55,61.4) v1(71.55,39.4) v1(71.55,17.4) v1(72.12,107.28) v1(72.12,85.28) v1(72.12,63.28) v1(72.12,41.28) v1(72.12,19.28) v1(72.55,99.5) v1(72.55,77.5) v1(72.55,55.5) v1(72.55,33.5) v1(72.55,11.5) v1(73.67,108.75) v1(73.67,107.85) v1(73.67,86.75) v1(73.67,85.85) v1(73.67,64.75) v1(73.67,63.85) v1(73.67,42.75) v1(73.67,41.85) v1(73.67,20.75) v1(73.67,19.85) v1(73.75,99.5) v1(73.75,77.5) v1(73.75,55.5) v1(73.75,33.5) v1(73.75,11.5) v1(76.15,99.5) v1(76.15,77.5) v1(76.15,55.5) v1(76.15,33.5) v1(76.15,11.5) v1(77.35,99.5) v1(77.35,77.5) v1(77.35,55.5) v1(77.35,33.5) v1(77.35,11.5) v1(77.7,116.75) v1(77.7,94.75) v1(77.7,72.75) v1(77.7,50.75) v1(77.7,28.75) v1(77.83,107.97) v1(77.83,85.97) v1(77.83,63.97) v1(77.83,41.97) v1(77.83,19.97) v1(78.19,106.05) v1(78.19,84.05) v1(78.19,62.05) v1(78.19,40.05) v1(78.19,18.05) v1(78.94,107.2) v1(78.94,85.2) v1(78.94,63.2) v1(78.94,41.2) v1(78.94,19.2) v1(80.1,116.75) v1(80.1,94.75) v1(80.1,72.75) v1(80.1,50.75) v1(80.1,28.75) v1(81.65,113.2) v1(81.65,91.2) v1(81.65,69.2) v1(81.65,47.2) v1(81.65,25.2) v1(82.1,101.5) v1(82.1,99.5) v1(82.1,79.5) v1(82.1,77.5) v1(82.1,57.5) v1(82.1,55.5) v1(82.1,35.5) v1(82.1,33.5) v1(82.1,13.5) v1(82.1,11.5) v1(82.32,115.35) v1(82.32,93.35) v1(82.32,71.35) v1(82.32,49.35) v1(82.32,27.35) v1(83.3,101.5) v1(83.3,99.5) v1(83.3,79.5) v1(83.3,77.5) v1(83.3,57.5) v1(83.3,55.5) v1(83.3,35.5) v1(83.3,33.5) v1(83.3,13.5) v1(83.3,11.5) v1(83.78,116.75) v1(83.78,113.95) v1(83.78,94.75) v1(83.78,91.95) v1(83.78,72.75) v1(83.78,69.95) v1(83.78,50.75) v1(83.78,47.95) v1(83.78,28.75) v1(83.78,25.95) v1(85.12,115.35) v1(85.12,93.35) v1(85.12,71.35) v1(85.12,49.35) v1(85.12,27.35) v1(86.55,101.5) v1(86.55,99.5) v1(86.55,79.5) v1(86.55,77.5) v1(86.55,57.5) v1(86.55,55.5) v1(86.55,35.5) v1(86.55,33.5) v1(86.55,13.5) v1(86.55,11.5) v1(87.75,101.5) v1(87.75,99.5) v1(87.75,79.5) v1(87.75,77.5) v1(87.75,57.5) v1(87.75,55.5) v1(87.75,35.5) v1(87.75,33.5) v1(87.75,13.5) v1(87.75,11.5) v1(87.9,116.75) v1(87.9,113.95) v1(87.9,94.75) v1(87.9,91.95) v1(87.9,72.75) v1(87.9,69.95) v1(87.9,50.75) v1(87.9,47.95) v1(87.9,28.75) v1(87.9,25.95) v1(94.97,108.65) v1(94.97,106.25) v1(94.97,86.65) v1(94.97,84.25) v1(94.97,64.65) v1(94.97,62.25) v1(94.97,42.65) v1(94.97,40.25) v1(94.97,20.65) v1(94.97,18.25) v1(95.25,99.97) v1(95.25,77.97) v1(95.25,55.97) v1(95.25,33.97) v1(95.25,11.97) v1(99.4,99.97) v1(99.4,77.97) v1(99.4,55.97) v1(99.4,33.97) v1(99.4,11.97) v1(100,108.65) v1(100,106.25) v1(100,86.65) v1(100,84.25) v1(100,64.65) v1(100,62.25) v1(100,42.65) v1(100,40.25) v1(100,20.65) v1(100,18.25)
VCC: length 269.9
  Top w0.25: U1#8.3 75.06,62.95 74.71,62.61 ; 22.71,40.61 23.06,40.95 U1#2.3 ; U1#7.3 75.06,84.95 74.71,84.61 ; 74.71,40.61 75.06,40.95 U1#3.3 ; 22.71,84.61 23.06,84.95 U1.3 ; U1#6.3 75.06,18.96 74.71,18.6 ; U1#5.3 23.06,62.95 22.71,62.61 ; U1#10.3 23.06,106.95 22.71,106.6 ; 22.71,18.6 23.06,18.96 U1#9.3 ; 74.71,106.6 75.06,106.95 U1#4.3
  Top w0.3: v3(26.74,112.95) 27.32,113.53 R8#5.2 ; R6#2.2 73.96,93.17 v3(74.59,92.55) ; R6#4.2 21.96,71.17 v3(22.59,70.55) ; R8#4.2 27.32,47.53 v3(26.74,46.95) ; 21.61,27.18 21.96,27.18 v3(22.59,26.55) ; v3(78.74,68.95) 79.32,69.53 R8#10.2 ; v3(78.74,112.95) 79.32,113.53 R8#7.2 ; v3(26.74,90.95) 27.32,91.53 R8#9.2 ; R8#3.2 27.32,25.53 v3(26.74,24.95) ; v3(26.74,68.95) 27.32,69.53 R8#2.2 ; R6#8.2 73.96,49.17 v3(74.59,48.55) ; v3(74.59,114.55) 73.96,115.17 R6#3.2 ; v3(78.74,46.95) 79.32,47.53 R8.2 ; v3(22.59,48.55) 21.96,49.17 R6#7.2 ; v3(74.59,70.55) 73.96,71.17 R6.2 ; v3(22.59,114.55) 21.96,115.17 R6#5.2 ; v3(78.74,90.95) 79.32,91.53 R8#6.2 ; R6#9.2 21.96,93.17 v3(22.59,92.55) ; 73.61,27.18 73.96,27.18 v3(74.59,26.55) ; v3(78.74,24.95) 79.32,25.53 R8#8.2
  Top w0.4: D1#8.2 74.42,116 R6#3.2 ; R3#10.1 R2#8.1 74.85,38.95 v3(74.85,39.05) ; v3(74.85,83.05) 74.85,82.95 R2#9.1 R3#8.1 ; R6#9.2 22.42,94 D1#10.2 ; R6#2.2 74.42,94 D1#7.2 ; v3(74.85,61.05) 74.85,60.95 R2#7.1 R3#3.1 ; D1#2.2 74.42,28 73.61,27.18 ; R3#4.1 R2#6.1 22.85,60.95 v3(22.85,61.05) ; 74.69,83.16 74.69,82.84 ; D1#3.2 22.42,50 R6#7.2 ; 74.69,17.16 74.69,16.84 ; v3(22.85,83.05) 22.85,82.95 R2#10.1 R3#2.1 ; D1#5.2 22.42,72 R6#4.2 ; 22.69,17.16 22.69,16.84 ; D1.2 74.42,72 R6.2 ; v3(74.85,17.05) 74.85,16.95 R2#4.1 R3#7.1 ; v3(22.85,39.05) 22.85,38.95 R2#2.1 R3#9.1 ; R6#8.2 74.42,50 D1#4.2 ; R3.1 R2.1 22.85,16.95 v3(22.85,17.05) ; 22.69,105.16 22.69,104.84 ; 74.69,39.16 74.69,38.84 ; 21.61,27.18 22.42,28 D1#6.2 ; v3(74.85,105.05) 74.85,104.95 R2#5.1 R3#5.1 ; R6#5.2 22.42,116 D1#9.2 ; 22.69,39.16 22.69,38.84 ; 22.69,83.16 22.69,82.84 ; 74.69,105.16 74.69,104.84 ; 22.69,61.16 22.69,60.84 ; 74.69,61.16 74.69,60.84 ; R3#6.1 R2#3.1 22.85,104.95 v3(22.85,105.05)
  Top w0.5: 74.89,39.05 74.74,39.2 74.74,40.6 C7#8.1 ; 22.89,105.05 22.74,105.2 22.74,106.6 C7#9.1 ; 22.89,17.05 22.74,17.2 22.74,18.6 C7#10.1 ; 74.89,105.05 74.74,105.2 74.74,106.6 C7#6.1 ; 22.89,83.05 22.74,83.2 22.74,84.6 C7#4.1 ; 22.89,61.05 22.74,61.2 22.74,62.6 C7#2.1 ; 22.89,39.05 22.74,39.2 22.74,40.6 C7#7.1 ; 74.89,83.05 74.74,83.2 74.74,84.6 C7.1 ; C7#3.1 74.74,18.6 74.74,17.2 74.89,17.05 ; C7#5.1 74.74,62.6 74.74,61.2 74.89,61.05
  In2.Cu w0.3: v3(74.85,39.05) 74.85,41.91 76,43.06 76,45.25 75.5,45.75 75.5,47.64 v3(74.59,48.55) 77.14,48.55 v3(78.74,46.95) ; v3(74.85,17.05) 74.85,19.91 76,21.06 76,23.25 75.5,23.75 75.5,25.64 v3(74.59,26.55) 77.14,26.55 v3(78.74,24.95) ; v3(22.85,105.05) 22.85,107.91 24,109.06 24,111.25 23.5,111.75 23.5,113.64 v3(22.59,114.55) 25.14,114.55 v3(26.74,112.95) ; v3(74.85,83.05) 74.85,85.91 76,87.06 76,89.25 75.5,89.75 75.5,91.64 v3(74.59,92.55) 77.14,92.55 v3(78.74,90.95) ; v3(74.85,105.05) 74.85,107.91 76,109.06 76,111.25 75.5,111.75 75.5,113.64 v3(74.59,114.55) 77.14,114.55 v3(78.74,112.95) ; v3(26.74,24.95) 25.14,26.55 v3(22.59,26.55) 23.5,25.64 23.5,23.75 24,23.25 24,21.06 22.85,19.91 v3(22.85,17.05) ; v3(26.74,68.95) 25.14,70.55 v3(22.59,70.55) 23.5,69.64 23.5,67.75 24,67.25 24,65.06 22.85,63.91 v3(22.85,61.05) ; v3(74.85,61.05) 74.85,63.91 76,65.06 76,67.25 75.5,67.75 75.5,69.64 v3(74.59,70.55) 77.14,70.55 v3(78.74,68.95) ; v3(22.85,83.05) 22.85,85.91 24,87.06 24,89.25 23.5,89.75 23.5,91.64 v3(22.59,92.55) 25.14,92.55 v3(26.74,90.95) ; v3(22.85,39.05) 22.85,41.91 24,43.06 24,45.25 23.5,45.75 23.5,47.64 v3(22.59,48.55) 25.14,48.55 v3(26.74,46.95)
